# KiCad board processor.Z80.kicad_pcb (continued)
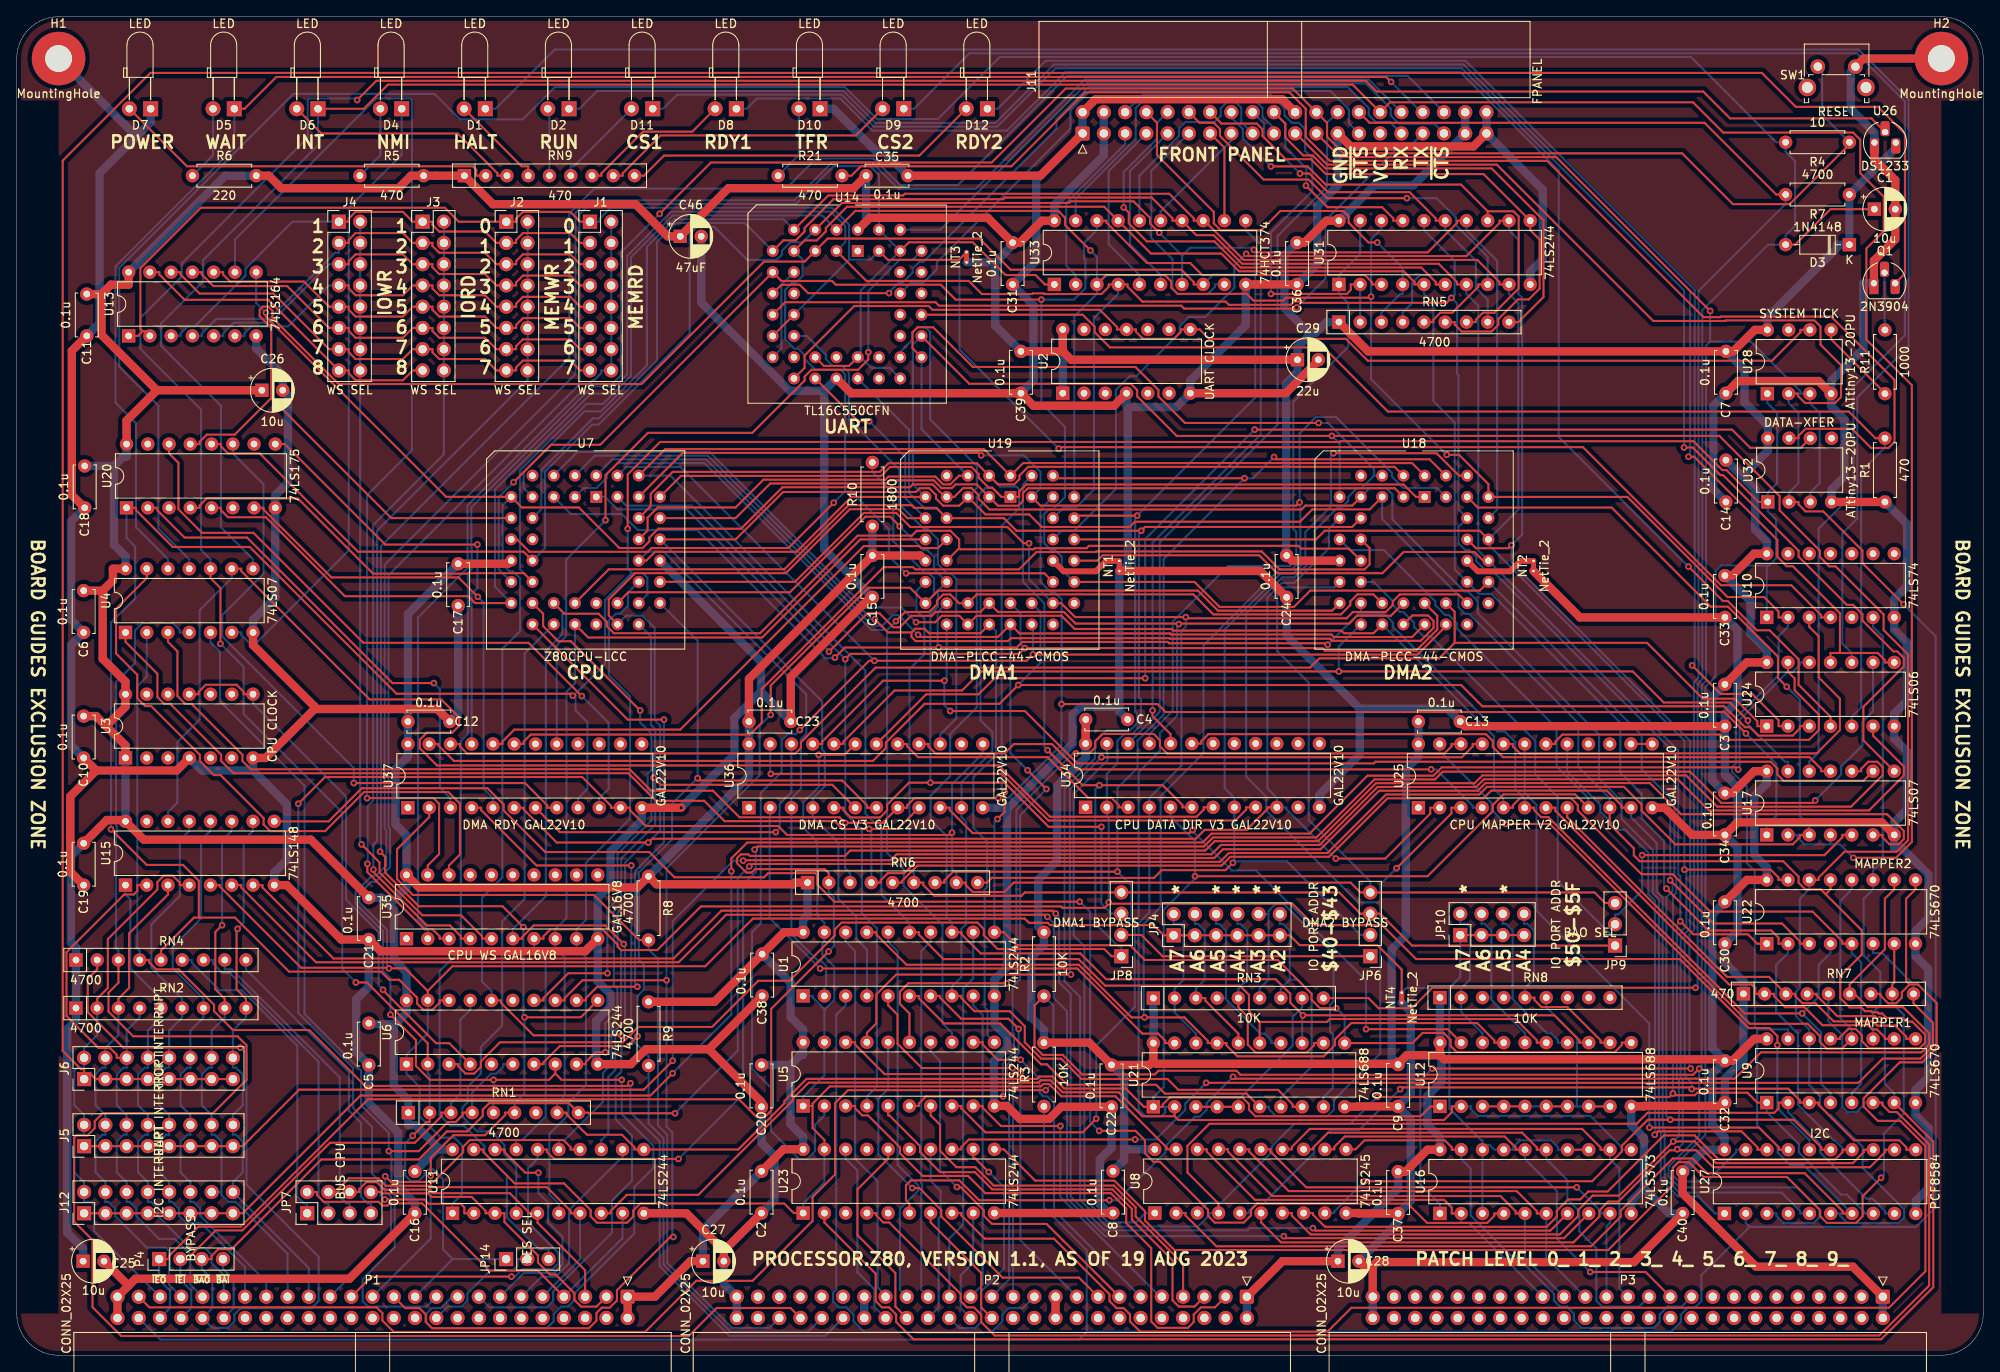
[diagram p0: board, top side]
## Routing (per net, layer and track width the routed paths; a pad name or vN(x,y) marks a point on that pad's centre or on a via; arc(x,y) is an arc through that point) (continued)
~{EIRQ5}: length 67.2
  Bottom w0.25: P1.35 29.82,8.78 21.93,16.68 21.93,17.53 21.12,18.34 20.75,18.34 J12.12 20.75,20.69 19.57,21.87 19.57,25.56 20.38,26.36 20.75,26.36 J5.12 20.75,28.72 19.57,29.89 19.57,33.57 20.38,34.38 20.75,34.38 20.75,38.81 22.31,40.37 RN2.7 22.31,42.63 18.65,46.29 18.65,48.84 22.03,52.22 22.03,61.57 23.16,62.69 U15.12
~{EIRQ6}: length 65.6
  Top w0.25: v1(24.54,51.4) 23.73,50.59 23.73,43.75 24.85,42.63 RN2.8
  Bottom w0.25: 24.47,19.51 24.47,25.56 23.66,26.36 23.29,26.36 J5.14 23.29,28.72 22.11,29.89 22.11,33.57 22.92,34.38 23.29,34.38 23.29,38.81 24.85,40.37 RN2.8 ; 24.47,19.51 24.47,19.15 25.27,18.34 26.15,18.34 32.36,12.13 P1.33 ; 24.47,19.51 J12.14 ; v1(24.54,51.4) 24.54,61.54 25.7,62.69 25.7,63.82
~{EIRQ7}: length 64.9
  Top w0.25: v1(26.39,50.98) 26.27,50.85 26.27,43.75 27.39,42.63 RN2.9
  Bottom w0.25: P1.31 34.9,10.44 J12.16 25.83,20.69 27.01,21.87 27.01,25.56 26.2,26.36 25.83,26.36 J5.16 25.83,28.72 27.01,29.89 27.01,33.57 26.2,34.38 25.83,34.38 25.83,38.81 27.39,40.37 RN2.9 ; U15.10 28.23,62.69 27.11,61.57 27.11,51.7 v1(26.39,50.98)
~{EXT-RES}: length 313
  Top w0.25: v1(76.82,136.44) 82.96,142.58 116.51,142.58 125.36,151.42 152.48,151.42 J11.24 156.58,147.32 156.58,145.66 158.57,143.67 199.01,143.67 205.08,137.6 211.87,137.6 219,144.73 R4.1
  Bottom w0.25: SW1.1 215.75,153.51 215.75,148.25 R4.1 ; v1(76.82,136.44) 72.22,131.83 72.22,117.16 70.86,115.81 68.79,115.81 54.32,101.33 54.32,96.6 54.36,96.57 54.36,93.96 53.91,93.51 53.91,74.28 53.07,73.44 53.07,48.45 50.53,45.91 50.53,28.75 51.84,27.43 53.45,27.43 55.89,25 55.89,24.18 58.56,21.51 58.56,16.49 62.38,12.68 63.56,12.68 63.56,11.5
~{FP-LATCH-RD}: length 78.5
  Bottom w0.25: U34.21 135.34,74.25 138.15,77.05 138.15,87.71 144.77,94.34 152.12,94.34 152.9,95.11 152.9,98.42 152.55,98.77 152.55,113.98 159.13,120.55 159.13,125.75 158,126.87 U31.1 158,129.13 160.54,131.67 U31.19
~{FP-LATCH}: length 64.7
  Top w0.25: U34.9 146.92,65.5 146.92,65.22 145.62,63.92 123.29,63.92 117.71,69.5 v1(90.11,69.5)
  Bottom w0.25: v1(90.11,69.5) 90.04,69.56 U36.23
~{HALT}: length 252
  Top w0.25: v1(88.18,60.46) 88.54,60.82 141.88,60.82 142.96,61.9 155.31,61.9 162.24,68.83 169.48,68.83 170.41,69.76 199.97,69.76 203.71,66.03 214.62,66.03 v1(214.92,66.32) ; P1.27 42.38,9.4 v1(59.11,9.4) ; U11.16 63.36,24.59 63.36,24.31 64.2,23.47 v1(79.08,23.47)
  Bottom w0.25: v1(79.08,23.47) 86.81,31.2 86.81,56.24 88.31,57.75 88.31,60.32 v1(88.18,60.46) ; U24.9 221.82,77 220.56,75.73 220.56,72.89 218.01,70.35 218.01,69.42 v1(214.92,66.32) ; v1(59.11,9.4) 59.53,9.4 60.43,10.3 64.03,10.3 64.76,11.03 64.76,12.19 61.09,15.86 61.09,22.33 62.23,23.47 U11.16
~{IEI}: length 62.5
  Top w0.25: RN1.3 50.75,29 50.75,28.58 47.57,25.4 37.43,25.4 26.96,14.93 23.8,14.93 20.73,11.87 20.73,11.5 P4.2
  Bottom w0.25: P4.2 19.56,9.01 20.85,7.71 20.85,5.65 P1.44 ; RN1.3 51.88,30.13 53.01,31.25 53.01,40.1 54.19,41.29 U6.17
~{IEO}: length 284.4
  Top w0.25: v1(97.01,48.27) 90.15,41.41 90.15,29.24 89.45,28.54 88.36,28.54 86.3,30.6 41.99,30.6 26.77,15.38 21.71,15.38 18.19,11.87 18.19,11.5 P4.1 ; RN6.2 97.04,57.63 96.56,58.11 88.24,58.11 87.83,57.7 87.18,57.7 86.06,58.82 86.06,59.41 86.54,59.88 87.43,59.88 87.62,59.68 98.96,59.68 99.61,60.33 142.03,60.33 143.15,61.45 155.5,61.45 162.43,68.38 174.22,68.38 175.15,69.31 199.49,69.31 203.22,65.58 219.2,65.58 222.99,69.36 222.99,70.29 222.34,70.95 221.25,70.95 220.41,70.1 220.41,69.82 U17.10
  Bottom w0.25: v1(97.01,48.27) 97.64,48.9 97.64,54.77 97.04,55.37 RN6.2 ; P1.46 18.31,5.65 18.31,7.71 17.02,9.01 P4.1
~{IM2-EN-OE}: length 214.2
  Top w0.25: v1(200.04,34.28) v1(169.16,34.28) ; J11.28 161.66,147.32 201.68,147.32 210.25,138.75 R7.2
  Bottom w0.25: U16.1 170.07,18.08 167.72,20.43 167.72,32.84 v1(169.16,34.28) ; v1(200.04,34.28) 199.89,34.43 199.89,50.31 200.43,50.84 200.43,57.53 200.46,57.56 200.46,58.54 200.43,58.57 200.43,80.46 200.97,81 200.97,127.21 211.38,137.62 R7.2
~{IM2-EN}: length 85.8
  Bottom w0.25: U34.22 136.59,76.91 136.59,97.16 150.66,111.23 150.66,133.78 156.58,139.7 156.58,147.32 J11.26
~{IM2-IEO}: length 79.4
  Top w0.25: U17.11 215.62,69.82 215.62,70.1 214.23,71.49 177.6,71.49 176.39,72.71 176.39,73.42 175.56,74.25 142.4,74.25 141.55,73.4 141.55,73.12 U34.19
~{IM2-INT}: length 174.3
  Top w0.25: U34.7 141.84,65.5 141.84,65.22 140.99,64.37 123.47,64.37 117.34,70.5 50.22,70.5 48.16,72.56 48.16,73.57 49.01,74.42 52.04,74.42 52.88,75.26 52.88,76.24 50.73,78.39 42.17,78.39 26.82,93.74 26.82,94.02 25.7,94.02
  Bottom w0.25: 18.08,63.82 18.08,64.95 19.2,66.07 19.2,73.31 21.86,75.97 21.86,89.06 25.7,92.89 25.7,94.02
~{INT0-EN}: length 362.7
  Top w0.25: v1(219.48,59.46) 224.57,59.46 226.46,61.36 226.46,115.97 221.03,121.4 221.03,132.29 223.11,134.37 223.11,138.48 220.3,141.3 220.3,145.3 219.44,146.15 203.92,146.15 200.31,149.77 164.11,149.77 J11.30 159.64,151.88 44.36,151.88 41.48,149 D6.1
  Bottom w0.25: 216.75,61.07 217.87,61.07 v1(219.48,59.46) ; 216.75,61.07 213.63,61.07 212.79,61.92 212.79,62.2 U17.2 ; 216.75,61.07 U17.4 ; D6.1 36,144.63 22.26,130.89 22.26,128.35 17.26,123.35 17.26,120.65 24.41,113.5 24.41,98.97 28.23,95.15 U4.8
~{INT0}: length 314.1
  Top w0.25: v1(72.3,32.92) 65.11,32.92 64.36,33.67 ; v1(44.66,40.71) 47.7,37.67 47.7,34.59 49.37,32.92 v1(56.98,32.92) 63.6,32.92 64.36,33.67 ; 64.36,33.67 U6.8
  Bottom w0.25: RN1.5 56.96,30.13 56.98,30.15 v1(56.98,32.92) ; P1.17 52.04,7 50.68,5.64 49.61,5.64 48.96,4.98 48.96,3.9 49.62,3.24 63.34,3.24 64.16,4.05 64.16,4.92 65.07,5.82 65.87,5.82 66.56,6.51 66.56,7.32 73.79,14.56 73.79,20.12 76.07,22.4 76.07,25.05 72.3,28.82 v1(72.3,32.92) ; v1(44.66,40.71) 44.66,45.05 43.75,45.95 43.75,50.71 40.5,53.96 40.5,55.38 42.45,57.33 42.96,57.33 44.15,58.53 44.15,62.77 43.97,62.95 43.97,94.51 66.77,117.31 66.77,136.57 68.27,138.07 92.92,138.07 97.44,142.59 102.2,142.59 105.37,139.41 114.57,139.41 127.65,152.49 161.58,152.49 J11.32
~{INT-I2C}: length 159.1
  Top w0.25: RN6.5 105.79,56.5 105.79,56.69 107.62,58.53 143.97,58.53 145.03,59.58 156.81,59.58 163.81,66.58 175.28,66.58 176.2,67.5 190.01,67.5 191.77,65.73 191.77,65.45 U25.11
  Bottom w0.25: 214.24,16.95 213.11,16.95 213.11,17.23 210.89,19.45 198.68,19.45 196.91,21.22 196.91,26.85 196.73,27.04 196.73,28.2 196.68,28.24 196.68,54.71 195.96,55.42 195.96,61.26 192.9,64.32 U25.11
~{IORQ}: length 49.2
  Top w0.25: JP7.2 35.88,19.51 35.88,19.15 36.68,18.34 43.25,18.34 43.69,17.89 44.29,17.89 44.56,18.16 48.44,18.16 56.47,10.13 62.25,10.13 P1.7
  Bottom w0.25: P1.7 72.39,14.01 U11.9
~{M1}: length 23.8
  Bottom w0.25: P1.11 62.68,9.38 64.39,9.38 66.01,11 66.01,17.36 72.11,23.47 72.39,23.47 U11.12
~{MREQ}: length 44.7
  Top w0.25: U11.7 66.19,16.97 66.19,17.26 63.35,20.09 49.68,20.09 49.52,20.26 44.11,20.26 43.21,21.15 39.69,21.15 38.42,19.88 38.42,19.51 JP7.4
  Bottom w0.25: U11.7 67.31,11.47 P1.9
~{MR}: length 135.7
  Top w0.25: U35.19 49.11,58.55 50.47,59.9 50.47,65.93 49.8,66.6 v1(41.87,66.6)
  Bottom w0.25: v1(41.87,66.6) 41.87,102.81 47.23,108.17 47.23,150.07 47.06,150.23 42.95,150.23 26.07,133.35 U13.9
~{NMI}: length 121
  Top w0.25: RN1.4 53.29,29 53.29,28.72 52.45,27.87 51.51,27.87 48.04,24.4 v1(44.46,24.4)
  Bottom w0.25: P1.19 48.96,5.82 41.99,5.82 41.34,6.47 41.34,9.1 45.18,12.93 45.18,19.11 44.77,19.52 44.77,24.1 v1(44.46,24.4) 44.46,26.59 41.14,29.9 41.14,34.04 34.39,40.8 34.39,68.09 24.28,78.19 24.28,84.09 23.16,85.21 U4.5 ; RN1.4 54.42,31.39 56.68,33.65 57.28,33.65 58.15,34.52 58.15,34.8 U6.6
~{PAGE-EN}: length 53
  Bottom w0.25: U10.6 221.82,87.07 223,85.9 223,59.12 221.82,57.95 U22.11 221.82,55.69 220.7,54.57 220.7,47.79 222.71,45.78 222.71,41.88 221.82,41 U9.11
~{PAGE-WR}: length 86.5
  Top w0.25: v1(177.93,63.51) 183.21,63.51 207.1,39.62 214.02,39.62 215.47,38.17 215.47,37.46 216.28,36.66 218.13,36.66 U9.12
  Bottom w0.25: U25.23 170.04,71.94 170.32,71.94 176.25,66.02 176.25,65.2 v1(177.93,63.51) ; U22.12 219.28,55.69 217.91,54.32 217.91,40.32 219.28,38.95 U9.12
~{PGEN-WR}: length 57
  Top w0.25: U10.3 214.21,87.07 215.33,85.95 215.33,81.03 217.87,78.49 217.87,74.73 215.09,71.94 179.63,71.94 178.79,72.79 178.79,73.07 U25.20
~{RD}: length 36
  Top w0.25: P1.3 69.27,5.81 67.44,5.81 66.65,6.61 66.65,7.4 64.4,9.65 63.72,9.65 62.28,11.09 62.28,11.93 58.28,15.93 58.28,16.97 U11.3 56.03,16.97 56.03,17.26 54.36,18.93 49.57,18.93 49.14,19.35 43.66,19.35 43.5,19.51 JP7.8
~{RES-IN}: length 14.8
  Bottom w0.25: JP14.2 59.84,11.5 59.84,10.69 59.28,10.13 56.6,10.13 53.86,7.39 53.86,6.51 53.17,5.82 51.5,5.82 P1.20
~{RES-OUT}: length 374.2
  Top w0.25: U6.2 49.11,37.29 41.85,44.56 v1(40.53,44.56) ; v1(24.34,85.05) 24.34,91.71 23.16,92.89 U4.10 ; v1(47.32,26.24) 48.95,27.87 49.34,27.87 RN1.2 ; v1(40.68,150.04) 42.98,152.34 161.22,152.34 162.51,151.06 201.53,151.06 204.74,147.85 221.64,147.85 U26.2
  Bottom w0.25: RN1.2 49.34,33.45 49.11,33.67 U6.2 ; v1(40.53,44.56) 38.9,46.19 38.9,64.86 27.11,76.65 27.11,82.28 v1(24.34,85.05) ; P1.21 52.1,11.5 ; 52.1,11.5 50.95,12.65 50.95,21.02 49.77,22.2 49.19,22.2 48.74,21.76 48.74,21.53 48.05,20.84 47.08,20.84 46.42,21.5 46.42,25.34 v1(47.32,26.24) ; 52.1,11.5 JP14.1 ; U4.10 23.16,95.15 22.03,96.27 22.03,113.04 14.76,120.31 14.76,123.98 19.72,128.94 19.72,130.51 34.77,145.56 34.77,150.09 34.91,150.23 40.5,150.23 v1(40.68,150.04)
~{RFSH}: length 44.4
  Top w0.25: U11.14 66.19,24.59 66.19,24.88 65.34,25.73 54.15,25.73 53.34,24.93 53.34,24.26 49.8,20.71 44.71,20.71 v1(44.03,21.39)
  Bottom w0.25: v1(44.03,21.39) 44.03,19.61 44.73,18.92 44.73,14.29 P1.29
~{RTS}: length 69.7
  Bottom w0.25: U14.36 106.85,128.19 108.35,128.19 109.95,129.79 109.95,130.65 125.92,146.62 125.92,148.81 128.24,151.14 156.97,151.14 159.21,148.89 159.21,147.23 J11.27
~{TEND0}: length 210
  Top w0.25: RN4.3 12.16,44.53 10.97,43.35 10.97,41.08 13.92,38.13 26.4,38.13 27.46,37.06 27.46,32.94 23.48,28.96 10.29,28.96 9.32,27.98 9.32,27.15 8.45,26.28 7.11,26.28 6.86,26.03 6.86,15.97 9.05,13.77 9.05,5.75 12.5,2.3 80.29,2.3 83.64,5.65 92.47,5.65 P2.44
  Bottom w0.25: RN4.3 12.16,48.38 11.87,48.66 11.87,62.46 11.99,62.57 11.99,63.18 11.87,63.29 11.87,80.47 14.12,82.72 14.12,86.63 15.02,87.53 18.65,87.53 19.49,86.68 19.49,86.4 20.62,86.4
~{TEND1}: length 154.9
  Top w0.25: RN4.4 15.82,47.25 15.82,46.97 16.66,46.12 19.35,46.12 23.58,41.9 23.58,41.14 25.84,38.88 34.95,38.88 41.63,32.2 73.02,32.2 v1(73.33,32.51)
  Bottom w0.25: P2.40 96.6,2.32 85.15,2.32 76.83,10.65 76.83,25.56 73.33,29.06 v1(73.33,32.51) ; RN4.4 14.7,48.38 14.4,48.67 14.4,79.98 15.53,81.11 U4.2
~{USR-RESET1}: length 76.2
  Top w0.25: U37.8 63.4,65.45 63.4,65.73 60.74,68.4 v1(40.27,68.4)
  Bottom w0.25: U20.11 25.82,107.79 29.49,104.13 29.49,93.4 24.55,88.46 24.55,85.93 40.27,70.2 v1(40.27,68.4)
~{USR-RESET2}: length 80.9
  Top w0.25: v1(67.52,78.8) 61.16,85.16 41.43,85.16 28.28,98.31 22.14,98.31 19.33,101.12 19.33,106.67 18.2,107.79 U20.14
  Bottom w0.25: U37.10 69.61,66.58 70.74,67.7 70.74,75.58 v1(67.52,78.8)
~{WAIT-EN}: length 208.8
  Top w0.25: v1(164.23,152.21) 163.64,152.8 31.03,152.8 27.23,149 D5.1
  Bottom w0.25: J11.34 167.85,148.59 v1(164.23,152.21) ; 18.08,94.02 18.08,95.15 14.25,98.97 14.25,111.42 11.79,113.87 11.79,130.15 26,144.35 D5.1
~{WAIT}: length 287.6
  Top w0.25: v1(49.47,21.45) 49.47,23.6 52.18,26.31 55.96,26.31 58.37,28.72 58.37,29 RN1.6 ; v1(60.67,40.4) 67.41,40.4 U6.11 ; v1(43.41,60.2) 44.02,59.59 44.02,57.7 48.05,53.68 58.05,53.68 v1(60.55,51.17)
  Bottom w0.25: v1(49.47,21.45) 49.47,13.95 P1.25 ; v1(60.55,51.17) 60.55,40.52 v1(60.67,40.4) 60.67,31.3 59.5,30.13 RN1.6 ; J11.36 166.21,152.94 125.53,152.94 112.47,139.87 105.56,139.87 102.39,143.05 95.53,143.05 91.93,139.45 69.01,139.45 66.03,136.47 66.03,119.22 43.52,96.71 43.52,60.31 v1(43.41,60.2)
~{WR}: length 37.1
  Top w0.25: JP7.6 40.96,19.51 40.96,19.88 41.77,20.69 43.04,20.69 43.93,19.81 49.33,19.81 49.76,19.38 58.91,19.38 61.11,17.18 61.11,16.97 U11.5 62.23,15.85 67.92,10.16 P1.5
Net-(D1-Pad1): length 246.5
  Bottom w0.25: U24.10 219.28,83.95 218.16,85.07 218.16,98.23 219.94,100.01 219.94,114.48 226.07,120.62 226.07,150.09 220.08,156.09 64.31,156.09 57.23,149 D1.1
Net-(D2-Pad1): length 211.6
  Top w0.25: 217.87,83.95 217.87,88.69 212.24,94.32 211.51,94.32 210.4,95.43 210.4,97.46 200.45,107.4 v1(199.78,107.4) ; 217.87,83.95 222.4,83.95 223.24,83.1 223.24,82.82 U24.8 ; 217.87,83.95 216.75,83.95 U24.11
  Bottom w0.25: D2.1 67.23,149 69.36,151.13 98.78,151.13 102.61,147.31 116.97,147.31 123.95,154.29 172.88,154.29 199.97,127.2 199.97,107.59 v1(199.78,107.4)
Net-(D4-Pad1): length 74.6
  Bottom w0.25: D4.1 46,143.49 39.68,137.16 39.68,96.21 28.74,85.27 27.67,85.27 26.82,86.12 26.82,86.4 25.7,86.4
Net-(D4-Pad2): length 9
  Bottom w0.25: D4.2 43.46,143.46 R5.1
Net-(D5-Pad2): length 9
  Bottom w0.25: R6.1 23.46,143.46 D5.2
Net-(D8-Pad1): length 189.2
  Top w0.25: U24.4 216.75,76.33 212.94,80.14 212.94,83.2 209.47,86.66 207.96,86.66 204.45,90.16 203.88,90.16 v1(199.78,94.27)
  Bottom w0.25: D8.1 87.23,149 88.45,150.23 98.42,150.23 102.25,146.39 118.34,146.39 125.34,153.39 172.51,153.39 184.27,141.62 184.27,109.77 v1(199.78,94.27)
Net-(D9-Pad1): length 209.6
  Bottom w0.25: U17.12 214.21,70.95 215.33,72.07 215.33,98.83 219.49,102.99 219.49,115.77 225.62,121.9 225.62,149.91 219.89,155.64 113.86,155.64 107.23,149 D9.1
Net-(D10-Pad2): length 9
  Bottom w0.25: R21.1 93.46,143.46 D10.2
Net-(D11-Pad1): length 212.8
  Top w0.25: v1(199.24,108.51) 200.28,108.51 203.59,105.2 203.91,105.2 212.94,96.17 212.94,95.47 218.7,89.7 219.44,89.7 220.56,88.59 220.56,87.84 224.25,84.14 224.72,84.14 225.51,83.35 225.51,82.35 220.67,77.51 220.67,73.51 U17.8
  Bottom w0.25: D11.1 77.23,149 78.91,150.68 98.6,150.68 102.42,146.86 117.16,146.86 124.13,153.84 172.69,153.84 199.24,127.29 v1(199.24,108.51)
Net-(D12-Pad1): length 158.1
  Top w0.25: v1(200.21,82.46) 203.62,79.05 207.39,79.05 210.54,75.9 210.54,75.2 U24.2
  Bottom w0.25: v1(200.21,82.46) 200.52,82.77 200.52,127.34 173.12,154.74 122.96,154.74 117.23,149 D12.1
Net-(J5-Pad1): length 256.1
  Top w0.25: v1(86.81,59.12) 86.86,59.18 104.42,59.18 105.13,59.88 142.78,59.88 143.9,61 155.69,61 162.61,67.93 174.4,67.93 175.32,68.85 198.5,68.85 202.22,65.13 221.34,65.13 225.52,69.31 225.52,70.38 221.82,74.07 U24.6 ; J5.1 J5.3 J5.5 J5.7 J5.9 J5.11 J5.13 J5.15 27.01,25 33.75,31.75 74.93,31.75 v1(78.39,35.21)
  Bottom w0.25: v1(86.81,59.12) 85.63,59.12 78.39,51.89 v1(78.39,35.21)
Net-(J6-Pad1): length 375
  Top w0.25: J6.1 8.05,33.6 ; 8.05,33.6 8.05,34.19 7.68,34.19 5.49,36.38 5.49,142.8 15.98,153.29 208.54,153.29 212.6,149.23 222.43,149.23 225.65,146 225.65,129.32 Q1.3 ; 8.05,33.6 8.83,33.6 9.41,33.01 J6.3 J6.5 J6.7 J6.9 J6.11 J6.13 J6.15
Net-(J11-Pad5): length 21.4
  Bottom w0.25: U33.2 126.54,129.13 125.41,130.25 125.41,137.75 132.45,144.79 J11.5
Net-(J11-Pad7): length 21.4
  Bottom w0.25: J11.7 130.49,141.55 130.49,132.79 134.16,129.13 U33.5
Net-(J11-Pad9): length 21.4
  Bottom w0.25: J11.9 133.02,141.55 133.02,132.8 136.7,129.13 U33.6
Net-(J11-Pad11): length 28.6
  Bottom w0.25: J11.11 135.57,141.55 135.57,133.54 138.11,131 138.11,127.5 138.76,126.85 142.32,126.85 143.19,127.72 143.19,128 U33.9
Net-(J11-Pad13): length 11.1
  Top w0.25: J11.13 144.32,144.34 U33.12
Net-(J11-Pad15): length 13.9
  Bottom w0.25: J11.15 145.15,145.2 136.7,136.75 U33.15
Net-(J11-Pad17): length 26.1
  Bottom w0.25: J11.17 146.33,147.42 146.33,149.12 145.67,149.78 144.6,149.78 143.88,149.05 143.88,148.16 143.14,147.42 139.68,147.42 138.89,146.64 138.89,145.75 134.16,141.02 U33.16
Net-(J11-Pad19): length 36.1
  Bottom w0.25: J11.19 150.23,146.7 148.87,148.07 148.87,149.1 147.73,150.23 134.87,150.23 133.72,149.09 133.72,145.42 126.54,138.24 U33.19
Net-(J12-Pad1): length 248.1
  Top w0.25: J12.1 J12.3 J12.5 J12.7 J12.9 J12.11 J12.13 J12.15 27.01,16.97 41.08,31.05 75.72,31.05 v1(78.38,33.71) ; v1(85.39,57.86) 85.39,59.38 87.3,61.29 141.71,61.29 142.78,62.35 154.49,62.35 161.42,69.28 169.29,69.28 170.29,70.28 205.45,70.28 v1(205.72,70.01)
  Bottom w0.25: U24.12 213.08,82.82 213.08,82.54 212.24,81.69 211.63,81.69 205.89,75.96 205.89,70.18 v1(205.72,70.01) ; v1(78.38,33.71) 85.39,40.72 v1(85.39,57.86)
Net-(JP4-Pad2): length 17.9
  Bottom w0.25: U21.18 140.91,38.45 138.37,40.99 RN3.2 138.37,43.83 139.43,44.89 139.43,51.2 139.06,51.56 138.25,51.56 JP4.2
Net-(JP4-Pad4): length 19.3
  Top w0.25: U21.16 145.99,38.45 142.03,42.4 142.03,42.7 RN3.3
  Bottom w0.25: JP4.4 140.79,51.56 141.16,51.56 141.97,50.76 141.97,44.89 140.91,43.83 RN3.3
Net-(JP4-Pad6): length 20.8
  Bottom w0.25: JP4.6 143.33,51.56 143.7,51.56 144.51,50.76 144.51,42.7 ; 144.51,42.7 144.51,42.55 148.61,38.45 149.1,38.45 149.94,37.6 149.94,37.32 U21.14 ; 144.51,42.7 RN3.4
Net-(JP4-Pad8): length 27.3
  Top w0.25: RN3.5 145.99,41.57 147.11,40.45 147.11,37.12 148.04,36.18 154.17,36.18 155.02,37.04 155.02,37.32 U21.12
  Bottom w0.25: JP4.8 145.87,51.56 146.24,51.56 147.05,50.76 147.05,44.89 145.99,43.83 RN3.5
Net-(JP4-Pad10): length 41.6
  Bottom w0.25: RN3.6 148.53,43.83 149.59,44.89 149.59,52.74 ; 149.59,52.74 149.59,53.11 150.39,53.92 151.45,53.92 157.35,48.01 157.35,42.29 156.95,41.89 156.95,38.72 157.27,38.4 157.27,31.95 156.15,30.83 U21.9 ; 149.59,52.74 JP4.10
Net-(JP4-Pad12): length 29.5
  Bottom w0.25: U21.7 151.06,30.83 154.73,34.49 154.73,43.2 153.05,44.89 152.13,44.89 ; 152.13,44.89 151.06,43.83 RN3.7 ; 152.13,44.89 152.13,50.76 151.32,51.56 150.95,51.56 JP4.12
Net-(JP7-Pad1): length 38.9
  Bottom w0.25: RN4.6 20.9,47.25 20.9,46.97 24.24,43.63 26.89,43.63 33.52,37 33.52,18.96 34.33,18.15 34.7,18.15 JP7.1
Net-(JP7-Pad3): length 37.9
  Bottom w0.25: RN4.7 23.44,47.25 23.44,46.83 24.59,45.67 25.48,45.67 36.06,35.09 36.06,18.96 36.87,18.15 37.24,18.15 JP7.3
Net-(JP7-Pad5): length 37.2
  Bottom w0.25: RN4.8 24.85,46.12 25.7,46.12 38.6,33.22 38.6,18.96 39.41,18.15 39.78,18.15 JP7.5
Net-(JP7-Pad7): length 36.7
  Bottom w0.25: JP7.7 42.32,18.15 41.95,18.15 41.14,18.96 41.14,27.77 39.69,29.23 39.69,33.83 27.4,46.12 RN4.9
Net-(JP9-Pad2): length 36
  Top w0.25: v1(194.24,59.78) 216.02,59.78 218.16,61.92 218.16,62.2 U17.5
  Bottom w0.25: v1(194.24,59.78) 194.24,55.57 191.37,52.69 191,52.69 JP9.2
Net-(JP10-Pad2): length 17.8
  Bottom w0.25: JP10.2 172.5,51.59 173.31,51.59 173.68,51.22 173.68,44.94 172.62,43.88 172.62,41.04 175.16,38.5 U12.18
Net-(JP10-Pad4): length 18.8
  Bottom w0.25: JP10.4 175.04,51.59 175.41,51.59 176.22,50.78 176.22,42.75 ; RN8.3 176.22,42.75 ; 176.22,42.75 176.22,42.51 180.24,38.5 180.24,37.37
Net-(JP10-Pad6): length 20.8
  Bottom w0.25: U12.14 184.19,37.37 184.19,37.65 183.35,38.5 182.84,38.5 178.76,42.58 178.76,42.75 ; RN8.4 178.76,42.75 ; 178.76,42.75 178.76,50.78 177.95,51.59 177.58,51.59 JP10.6
Net-(JP10-Pad8): length 23.9
  Top w0.25: 190.4,37.37 189.27,37.37 189.27,37.65 185.3,41.62 182.2,41.62 181.36,42.47 181.36,42.75 180.24,42.75
  Bottom w0.25: 180.24,42.75 180.24,43.88 181.3,44.94 181.3,50.78 180.49,51.59 180.12,51.59 JP10.8
Net-(Q1-Pad2): length 6.9
  Bottom w0.25: R11.2 223.25,123.69 223.2,123.74 Q1.2
Net-(R11-Pad1): length 10.3
  Top w0.25: R11.1 223.25,115.01 216.82,121.44 U28.5
Net-(R21-Pad2): length 168.1
  Top w0.25: R21.2 99.75,141 100.87,142.13 118.86,142.13 127.71,150.97 152.07,150.97 154.04,149.01 154.04,145.64 156.91,142.77 182.89,142.77 201.56,124.09 203.56,124.09 203.64,124.16 216.82,124.16 224.39,116.59 224.39,109.17 223.67,108.45 221.61,108.45 219.31,110.75 213.76,110.75 212.92,109.9 212.92,109.62 U32.7
Net-(RN3-Pad8): length 21.4
  Top w0.25: U21.3 U21.4 U21.5
  Bottom w0.25: RN3.8 153.6,41.57 152.48,40.45 152.48,37.04 146.27,30.83 145.99,30.83 U21.5
Net-(RN8-Pad6): length 29.8
  Top w0.25: U12.7 182.78,29.75 ; 180.24,29.75 U12.4 U12.3 ; 190.4,29.75 U12.8
  Bottom w0.25: 182.78,42.75 182.78,41.62 186.44,37.96 186.44,29.75 ; U12.8 186.44,29.75 ; 186.44,29.75 U12.7 ; 182.78,29.75 180.24,29.75
Net-(U14-Pad10): length 11.2
  Bottom w0.25: U14.17 91.38,120.34 91.38,127.96 U14.10

## Copper pours and planes (outline as drawn; the poured copper is in the pictures)
(no net) on Top, Bottom: 235,0 0,0 0,160 235,160

## Text on the board
F.Silkscreen: ~{IEO} | ~{IEI} | ~{BAO} | ~{BAI} | CPU WS GAL16V8 | DMA RDY GAL22V10 | DMA CS V3 GAL22V10 | CPU DATA DIR V3 GAL22V10 | CPU MAPPER V2 GAL22V10 | SYSTEM TICK | DATA-XFER | I2C | MAPPER2 | MAPPER1 | BOARD GUIDES EXCLUSION ZONE | POWER | WAIT | INT | 1 / 2 / 3 / 4 / 5 / 6 / 7 / 8 | NMI | HALT | 0 / 1 / 2 / 3 / 4 / 5 / 6 / 7 | RUN | CPU | CS1 | RDY1 | TFR | UART | CS2 | RDY2 | DMA1 | PROCESSOR.Z80, VERSION 1.1, AS OF 19 AUG 2023 | FRONT PANEL | DMA2 | PATCH LEVEL 0_ 1_ 2_ 3_ 4_ 5_ 6_ 7_ 8_ 9_ | IOWR | IORD | MEMWR | MEMRD | A7 / A6 / A5 / A4 / A3 / A2 | * / * / * / * / * | $40-$43 | * / * | A7 / A6 / A5 / A4 | $50-$5F | GND / ~{RTS} / VCC / RX / TX / ~{CTS}
